# KiCad board ardumower mega shield svn.kicad_pcb (continued)
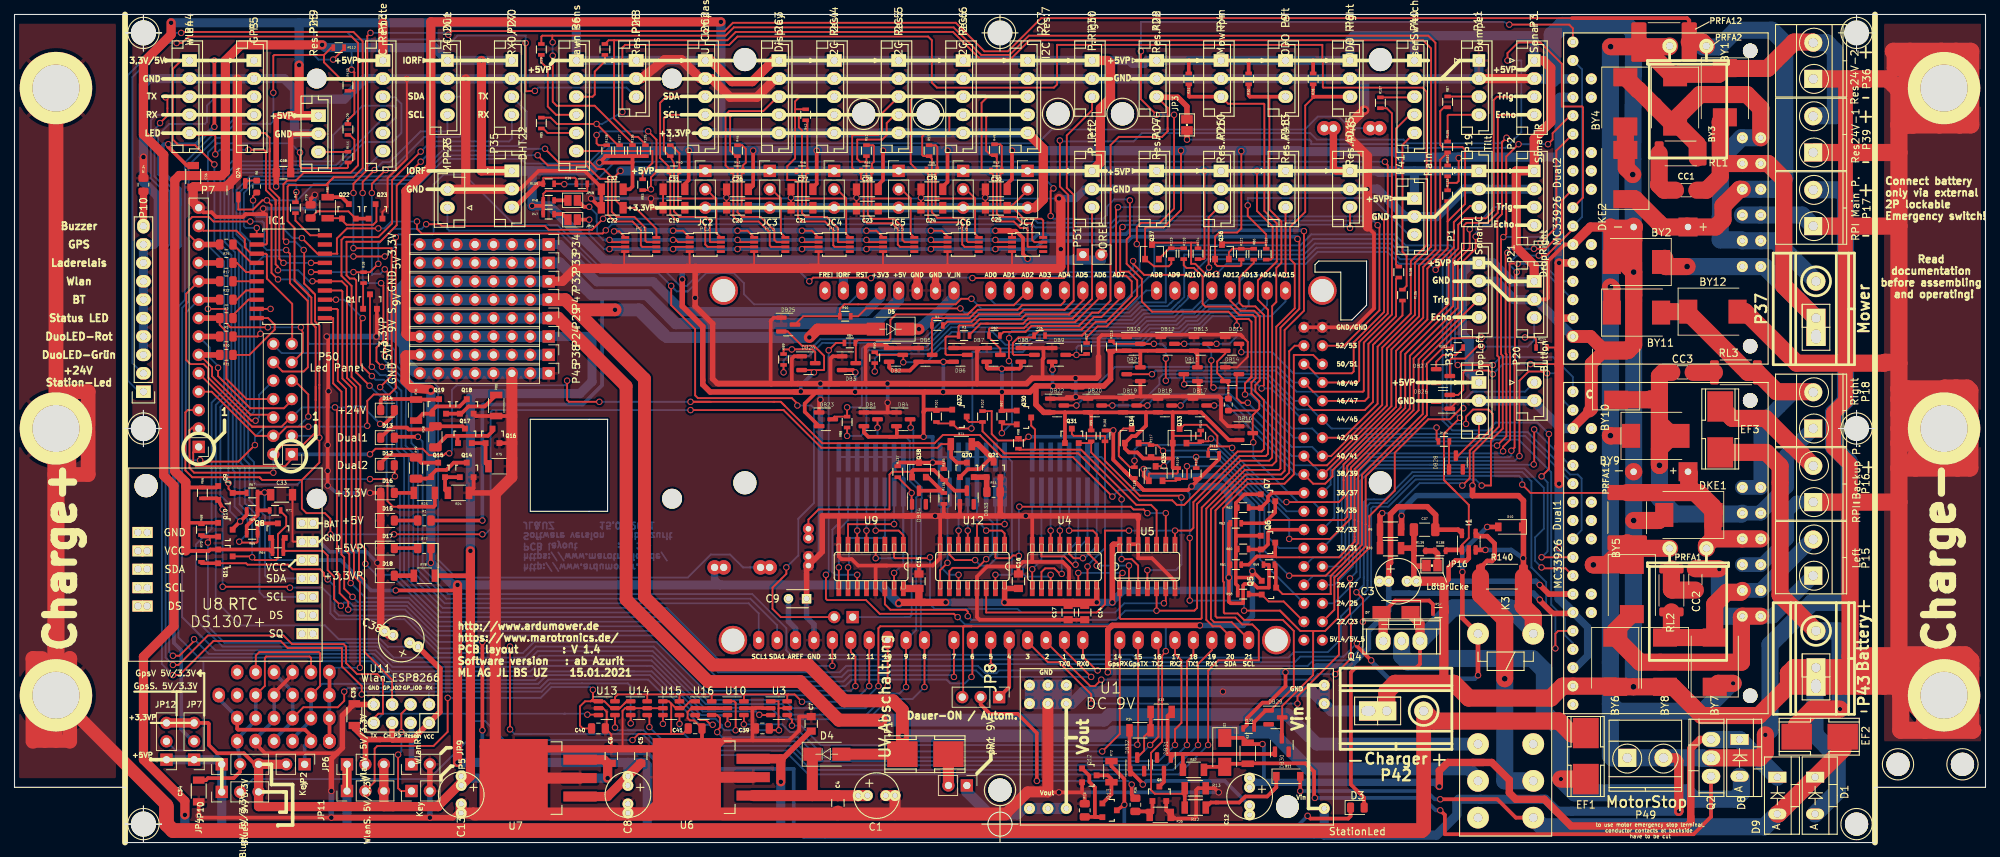
[diagram p0: board, top side]
## Routing (per net, layer and track width the routed paths; a pad name or vN(x,y) marks a point on that pad's centre or on a via; arc(x,y) is an arc through that point) (continued)
pinMotorRightDir: length 46.7
  Bottom w0.254: 214.76,49.53 Dual1.13 208.28,56.13 203.83,56.13 203.58,55.88 186.32,55.88 181.99,51.55 181.99,44.83 SHIELD1.33
pinMotorRightFault: length 64
  Top w0.254: Dual1.17 214.76,59.69 ; v1(211.33,64.77) 210.6,65.02 208.79,65.02 207.52,63.75 v1(207.52,53.34)
  Bottom w0.254: v1(207.52,53.34) 206.85,52.67 186.83,52.67 184.53,50.38 184.53,38.1 181.99,35.56 SHIELD1.27 ; v1(211.33,64.77) 212.73,64.77 213.36,64.14 213.36,61.21 Dual1.17
pinMotorRightPWM: length 115.9
  Top w0.254: v1(148.46,19.18) 148.46,20.45 144.02,24.89 142.49,24.89 139.7,27.69 SHIELD1.3 ; 209.55,52.07 209.55,52.13 v1(209.49,52.2) 209.55,52.26 v1(209.55,57.02) ; v1(176.91,19.18) 176.91,20.19 182.63,25.91 182.63,30.05 184.15,31.57 v1(184.15,36.45)
  Bottom w0.254: v1(209.55,57.02) 214.5,52.07 Dual1.14 ; 195.15,52.15 209.44,52.15 v1(209.49,52.2) ; 195.15,52.15 187.02,52.15 185.04,50.17 185.04,37.34 v1(184.15,36.45) ; 195.15,52.15 197.28,52.15 ; v1(148.46,19.18) v1(176.91,19.18)
pinMotorRightSense: length 109
  Top w0.254: v1(199.01,65.91) v1(203.84,65.91) ; SHIELD1.AD0 134.62,75.69
  Bottom w0.254: 204.91,66.99 205.04,66.99 ; 204.91,66.99 212.15,66.99 214.88,64.26 Dual1.18 ; 204.91,66.99 v1(203.84,65.91) ; 157.16,78.84 152.62,74.3 135.26,74.3 134.62,74.93 SHIELD1.AD0 ; 157.16,78.84 157.16,82.23 157.35,82.42 177.29,82.42 178.82,83.95 190.31,83.95 191.83,82.42 197.99,82.42 198.63,81.79 198.63,66.29 v1(199.01,65.91) ; 157.16,78.84 157.16,79.31
pinOdometryLeft: length 62.2
  Top w0.254: SHIELD1.AD12 167.64,74.8 169.04,73.41 170.94,73.41 171.7,72.64 171.7,63.75 171.1,63.15 171.1,62.26 172.28,61.09 172.28,54.29 171.96,53.97 168.66,53.97 161.29,46.61 160.27,46.61 159.64,47.24 155.07,47.24 148.46,53.85 R99.2 148.59,55.13 Q31.2 ; SHIELD1.AD12 167.64,77.22 ; SHIELD1.AD12 167.64,75.31
  Bottom w0.254: 167.64,75.63 SHIELD1.AD12 167.64,75.56
pinOdometryRight: length 64.1
  Top w0.254: R101.2 127.33,57.85 Q32.2 130,57.15 v1(131.95,57.15)
  Bottom w0.254: 139,67.69 138.47,67.69 ; 139,67.69 132.08,67.69 132.08,57.28 v1(131.95,57.15) ; 139,67.69 140.4,69.09 155.4,69.09 156.77,70.46 160.76,70.46 ; 164.97,73.15 163.39,71.56 163.38,71.56 163.32,71.5 161.8,71.5 160.76,70.46 ; 164.97,73.15 168.02,73.15 ; 164.97,73.15 165.35,73.15 ; 172.72,75.95 SHIELD1.AD14 172.72,74.17 171.7,73.15 168.02,73.15 ; 168.02,73.15 169.16,73.15 ; 160.76,70.46 161.23,70.93
pinPerimeterLeft: length 33.1
  Top w0.254: 145.87,72.33 146.56,73.03 ; 145.87,72.33 148.59,75.06 P12.3 ; 145.87,72.33 139.77,72.33 139.06,71.63 134.24,71.63 ; 134.24,71.63 133.87,71.63 ; 134.24,71.63 133.22,71.63 131.69,70.09 R3.1
pinPerimeterRight: length 51.2
  Top w0.254: 144.78,73.53 145.99,74.74 ; 144.78,73.53 139.19,73.53 138.56,72.9 132.97,72.9 131.95,71.88 128.65,71.88 128.14,71.37 R4.1 ; 144.78,73.53 146.05,74.8 146.05,89.41 145.1,90.36 145.1,97.6 148.59,101.09 P30.3
pinRain: length 4.6
  Top w0.254: 170.84,81.93 R86.1 R121.2 169.15,81.98 167.96,81.98 167.45,81.47 Q36.2
pinRemoteMow: length 99.4
  Top w0.254: v1(115.95,21.59) 115.95,25.65 115.32,26.29 SHIELD1.12 ; R64.2 37.33,40.26 42.55,40.26 43.18,39.62 43.18,37.59 44.07,36.7 44.07,33.62 v1(45,32.68)
  Top w0.48: Q8.2 37.07,41.85 R64.2
  Bottom w0.254: v1(115.95,21.59) 115.32,20.95 96.01,20.95 88.39,28.58 58.16,28.58 54.07,32.67 46.69,32.67 46.22,33.13 45.45,33.13 v1(45,32.68)
pinRemoteSpeed: length 122.1
  Top w0.254: SHIELD1.10 v1(120.4,21.59) ; v1(26.67,41.4) 26.92,41.66 26.92,42.23
  Top w0.48: 25.78,42.23 Q10.2
  Bottom w0.254: v1(26.67,41.4) 26.67,29.84 28.96,27.56 50.23,27.56 52.26,25.53 70.36,25.53 71.88,27.05 88.14,27.05 95.5,19.69 106.17,19.69 107.31,18.54 117.35,18.54 v1(120.4,21.59)
pinRemoteSteer: length 120.8
  Top w0.254: 117.86,29.08 SHIELD1.11 v1(117.86,21.59) ; 28.38,47.31 Q9.2 ; v1(37.97,35.18) 37.85,35.31 v1(28.7,35.31)
  Top w0.508: v1(28.7,45.97) 28.7,46.12 Q9.2 27.88,47.51 R66.2
  Bottom w0.254: v1(37.97,35.18) 42.42,35.18 43.56,34.04 43.56,31.62 44.36,30.82 53.76,30.82 58.42,26.16 70.1,26.16 71.63,27.69 88.52,27.69 95.88,20.32 116.59,20.32 v1(117.86,21.59) ; v1(28.7,45.97) v1(28.7,35.31)
pinRemoteSwitch: length 240.5
  Top w0.254: v1(164.59,13.46) 164.59,23.75 165.99,25.15 171.58,25.15 171.58,29.21 170.69,30.1 169.29,30.1 168.34,31.05 165.8,31.05 165.61,31.24 165.61,45.85 169.93,50.17 174.88,50.17 175.77,51.05 175.77,67.82 176.53,68.58 SHIELD1.52 177.04,68.58 ; 68.33,18.29 68.33,19.81 ; v1(43.18,36.32) 42.67,36.83 42.67,37.21 42.16,37.72 38.35,37.72 37.72,38.35 32.13,38.35 31.94,38.55 Q11.2 ; v1(68.33,15.62) v1(68.33,27.05)
  Top w0.48: Q11.2 25.78,38.55
  Bottom w0.254: v1(43.18,36.32) 44.13,35.37 44.13,31.94 44.74,31.33 53.97,31.33 58.5,26.8 68.07,26.8 v1(68.33,27.05) ; v1(68.33,15.62) 68.96,14.99 71.25,14.99 ; 71.25,14.99 69.47,14.99 ; 71.25,14.99 86.55,14.99 89.47,12.06 106.81,12.06 109.47,9.4 160.53,9.4 v1(164.59,13.46)
pinSonarCenterEcho: length 9
  Top w0.254: Q5.2 172.93,33.27 175.01,33.27 SHIELD1.22
  Top w0.48: 170.37,34.29 170.43,34.23 Q5.2
pinSonarCenterTrigger: length 33.6
  Top w0.254: v1(161.67,51.94) 161.67,50.17 161.66,50.18 R119.2 160.15,49.93 Q35.2
  Bottom w0.254: v1(161.67,51.94) 166.3,51.94 171.7,46.54 171.7,39.12 SHIELD1.24
pinSonarLeftEcho: length 9
  Top w0.48: 170.37,46.23 170.43,46.17 Q7.2 172.85,47.17 172.85,47.75 173.36,48.26 SHIELD1.36
  Bottom w0.254: SHIELD1.36 177.42,48.26
pinSonarLeftTrigger: length 21.7
  Top w0.254: R115.2 163.58,55.15 163.56,55.13 Q33.2 ; R115.2 163.45,55.13 ; R115.2 164.6,55.38 v1(164.97,55.75)
  Bottom w0.254: 177.17,45.72 SHIELD1.34 175.4,45.72 165.37,55.75 v1(164.97,55.75)
pinSonarRightEcho: length 10.4
  Top w0.254: 171.9,40.45 Q6.2
  Top w0.48: R60.2 170.23,40.45 Q6.2 172.15,40.45 172.85,41.15 172.85,42.8 173.23,43.18 SHIELD1.32
  Bottom w0.254: SHIELD1.32 177.17,43.18
pinSonarRightTrigger: length 32.3
  Top w0.254: 158.33,54.1 v1(158.36,54.07) 157.58,54.85 R117.2 156.44,55.13 Q34.2
  Bottom w0.254: v1(158.36,54.07) 158.4,54.1 165.58,54.1 172.97,46.71 172.97,42.04 174.37,40.64 SHIELD1.30 177.17,40.64
pinTilt: length 4.1
  Top w0.254: 157.8,80.53 159.23,82.03 R123.2 R110.1
pinUserSwitch1: length 22.8
  Top w0.254: P40.5 191.39,96.3 191.39,81.53 191.96,80.96 191.96,76.84 191.44,76.31 R106.1
pinUserSwitch2: length 22.6
  Top w0.254: P40.4 192.4,100.45 190.5,98.55 190.5,79.81 R108.1
pinUserSwitch3: length 4.7
  Top w0.254: P40.3 192.95,102.86 R107.1
RelaisAbschaltung: length 8.5
  Top w0.508: JP8.1 137.16,21.46 SHIELD1.4
ReserveAD6: length 60.4
  Top w0.254: P22.3 159,101.43 159,98.17 ; 146.75,71.32 140.23,71.32 139.4,70.48 136.39,70.48 R82.1 ; 146.75,71.32 147.19,71.75 ; 146.75,71.32 148.59,73.15 149.48,73.15 151.13,74.8 151.13,96.27 152.27,97.41 158.24,97.41 159,98.17 ; 159,98.17 159,98.68
  Top w0.762: JP3.1 161.67,101.6 160.4,102.87 157.56,102.87 P22.3
ReserveAD7: length 34
  Top w0.254: R26.1 147.19,69.98 ; 147.19,69.98 149.1,71.88 150.5,71.88 154.05,75.44 154.05,77.47 153.29,78.23 152.15,78.23 151.89,78.49 151.89,87.44 v1(152.15,87.69) ; 147.19,69.98 147.57,70.36
  Bottom w0.254: v1(152.15,87.69) 152.16,87.71 P14.3
ReserveAD10: length 79.3
  Top w0.254: P26.3 166.07,87.71 164.66,86.3 164.66,79.44 v1(164.72,79.38) ; v1(114.81,56.13) R88.1
  Bottom w0.254: v1(114.81,56.13) 116.71,56.13 117.48,56.9 117.48,67.69 117.73,67.94 125.98,67.94 129.16,71.12 131.32,71.12 ; 160.91,73.53 161.16,73.53 ; 160.91,73.53 162.43,73.53 163.83,74.93 163.83,78.11 v1(164.72,79.38) ; 160.91,73.53 159.89,72.52 156.08,72.52 156.06,72.5 155.93,72.5 154.56,71.12 146.9,71.12 131.32,71.12 ; 131.32,71.12 130.56,71.12
ReservePin8: length 62.1
  Top w0.254: v1(70.48,110.36) 70.48,103.76 70.54,103.71 v1(71.75,103.76) ; 85.74,102.94 P28.3 ; v1(43.94,108.08) 45.45,109.59 R112.1
  Bottom w0.254: v1(71.75,103.76) 72.2,104.2 84.39,104.2 85.64,102.95 P28.3 ; v1(43.94,108.08) 41.91,108.08 41.28,108.71 41.28,111.89 45.85,111.89 46.86,110.87 58.55,110.87 58.86,110.55 60.26,110.55 61.09,111.38 70.48,111.38 v1(70.48,110.36)
ReservePin9: length 4.1
  Top w0.254: R111.1 45.94,95.33 P25.3
Reset: length 142.3
  Top w0.254: JP13.2 105.66,31.11 104.52,32.26 104.52,35.18 106.43,37.08 v1(106.43,37.97) ; v1(90.55,76.84) 90.55,74.17 93.85,70.87 93.85,61.72 94.23,61.34 107.19,61.34 107.95,60.58 v1(107.95,60.33)
  Bottom w0.254: P23.1 59.69,84.71 59.94,84.45 74.93,84.45 80.77,78.61 88.77,78.61 v1(90.55,76.84) ; v1(107.95,60.33) 109.86,60.33 110.24,59.94 110.24,46.86 108.08,44.7 108.08,39.62 v1(106.43,37.97) ; v1(90.55,76.84) 91.31,76.07 92.84,76.07 ; v1(90.55,76.84) 91.06,76.33 ; 92.84,76.07 95.38,78.61 99.19,78.61 100.58,77.22 100.58,75.69 101.98,74.3 114.94,74.3 SHIELD1.RST ; 92.84,76.07 92.2,76.07
Resv.PinAD13: length 80.5
  Top w0.254: P48.3 v1(175.26,78.36) ; v1(118.62,65.02) R50.1
  Bottom w0.254: v1(175.26,78.36) 169.8,78.36 168.91,77.47 168.91,74.68 168.4,74.17 164.59,74.17 ; 126.19,67.44 129.24,70.49 134.87,70.49 136.65,68.71 138.58,68.71 139.98,70.1 154.98,70.1 156.35,71.48 160.29,71.48 161.33,72.52 162.9,72.52 164.55,74.17 164.59,74.17 ; 126.19,67.44 119.25,67.44 118.62,66.8 v1(118.62,65.02) ; 126.19,67.44 125.09,67.44 ; 164.59,74.17 167.13,74.17
Resv.PinAD15: length 56.1
  Top w0.254: R27.1 147.83,69.72 149.35,71.25 150.62,71.25 154.81,75.44 154.81,77.6 153.61,78.8 152.53,78.8 152.46,78.87 152.46,84.84 152.59,84.96 v1(152.78,84.96) ; v1(184.15,84.84) P46.3
  Bottom w0.254: v1(184.15,84.84) 183.71,85.28 153.1,85.28 v1(152.78,84.96)
RX0: length 200.9
  Top w0.254: 147.57,27.69 SHIELD1.0 ; SHIELD1.0 147.32,25.65 149.23,23.75 v1(149.35,23.75) ; SHIELD1.0 147.32,26.92 ; SHIELD1.0 147.32,28.19 ; SHIELD1.0 147.32,28.83 ; v1(56.01,93.98) 52.7,90.68 52.7,85.22 50.42,82.93 45.78,82.93 45.78,78.3 46.23,77.85 46.86,77.85 47.12,77.6 47.12,64.9 ; 47.12,64.9 47.12,65.28 ; 47.12,64.9 v1(48.96,63.06) 48.83,63.06
  Bottom w0.254: P27.3 70.61,100.92 70.61,97.41 69.34,96.14 58.17,96.14 v1(56.01,93.98) ; v1(149.35,23.75) 135.76,23.75 135.38,23.37 133.86,23.37 132.84,24.38 114.68,24.38 113.79,23.5 97.03,23.5 89.41,31.11 58.55,31.11 53.15,36.51 53.15,47.94 51.31,49.78 51.31,60.71 v1(48.96,63.06)
RX1: length 103.7
  Top w0.254: v1(82.8,15.88) 82.8,17.59 U13.4 ; 165.1,27.18 SHIELD1.19 165.1,26.54 163.2,24.64 v1(163.2,13.46)
  Bottom w0.254: v1(82.8,15.88) 83.18,15.49 86.36,15.49 ; 86.36,15.49 84.64,15.49 ; 86.36,15.49 86.76,15.49 89.56,12.7 107.19,12.7 109.86,10.03 159.77,10.03 v1(163.2,13.46)
RX2: length 88.5
  Top w0.254: SHIELD1.17 160.02,26.03 160.91,25.15 160.91,16.51 160.02,15.62 v1(160.02,13.46) ; v1(91.69,16.38) 91.69,16.26 U15.4
  Bottom w0.254: v1(160.02,13.46) 157.8,11.24 110.3,11.24 107.57,13.97 93.34,13.97 91.69,15.62 v1(91.69,16.38)
SCL: length 190.1
  Top w0.254: PC7.2 135.56,82.88 v1(135.26,83.19) ; SHIELD1.21 170.18,28.07 167.83,30.42 165.42,30.42 164.97,30.86 164.97,45.97 169.8,50.8 174.62,50.8 175.13,51.31 175.13,70.74 177.8,73.41 v1(177.8,84.39) ; v1(99.69,83.19) 100,82.88 PC3.2 ; PC2.2 91.5,82.88 91.19,83.19 v1(90.8,83.19) ; v1(108.58,83.19) 108.89,82.88 PC4.2 ; v1(126.36,83.19) 126.67,82.88 PC6.2 ; v1(82.04,83.19) 82.35,82.88 PC1.2 ; v1(117.48,83.19) 117.79,82.88 PC5.2
  Top w0.508: v1(79.25,87.76) 78.5,87.76 JP15.1
  Bottom w0.254: v1(82.04,83.19) 81.15,83.19 80.33,84.01 80.33,85.62 80.26,85.68 80.26,86.74 v1(79.25,87.76)
  Bottom w0.508: v1(177.8,84.39) 177.67,84.52 153.8,84.52 153.26,83.98 141.13,83.98 140.34,83.19 v1(135.26,83.19) v1(126.36,83.19) v1(117.48,83.19) v1(108.58,83.19) v1(99.69,83.19) v1(90.8,83.19) v1(82.04,83.19) 81.53,83.19
SCL1: length 134.5
  Top w0.254: PC1.7 87.18,82.88 86.99,83.06 86.99,84.84 85.47,86.36 83.06,86.36 82.36,87.06 82.36,91.84 81.24,92.96 80.36,92.96 79.34,93.98 74.93,93.98 v1(73.15,95.76)
  Bottom w0.254: v1(73.15,95.76) 70.23,95.76 69.98,95.5 58.97,95.5 55.42,91.95 32.47,91.95 30.61,90.08 30.61,83.95 31.94,82.61 31.94,60.13 31.18,59.37 31.18,52.39 31.75,51.82 31.75,46.86 33.78,44.83 33.78,34.54 34.42,33.91 U8.5
  Bottom w1.016: 41.02,33.91 39.52,33.91
SCL2: length 29.3
  Top w0.254: I2C2.4 90.04,100.45 89.53,99.95 89.53,95.5 90.28,94.75 R44.2 90.93,93.74 90.93,87.12 91.69,86.36 95.38,86.36 95.88,85.85 95.88,82.93 95.94,82.88 PC2.7
SCL3: length 29.7
  Top w0.254: I2C3.4 100.2,100.45 100.2,100.46 98.93,100.46 98.68,100.2 98.68,95.5 99.43,94.75 R45.2 99.69,87 100.33,86.36 102.87,86.36 104.77,84.45 104.77,83.19 105.08,82.88 PC3.7
SCL4: length 28.8
  Top w0.254: I2C4.4 108.15,100.45 108.14,100.46 108.14,98.74 108.58,98.3 108.58,92.71 ; 108.58,92.71 108.58,86.87 109.09,86.36 112.01,86.36 113.54,84.84 113.54,82.93 113.59,82.88 PC4.7 ; 108.58,92.71 R46.2
SCL5: length 29.4
  Top w0.254: 117.48,93.98 116.59,93.98 116.2,94.36 116.2,97.03 119.63,97.03 120.27,97.66 120.27,99.31 121.4,100.45 I2C5.4 ; 117.48,93.98 R51.2 ; 117.48,93.98 117.48,91.69 117.67,91.5 117.67,86.68 118.24,86.11 121.29,86.11 122.43,84.96 122.43,83.19 122.74,82.88 PC5.7
SCL6: length 29.4
  Top w0.254: I2C6.4 129.15,100.45 128.91,100.2 128.91,97.92 128.78,97.79 125.48,97.79 125.16,97.47 125.16,94.93 125.34,94.75 R52.2 126.49,94.37 126.49,87 127.25,86.23 130.81,86.23 131.32,85.72 131.32,83.06 131.5,82.88 PC6.7
SCL7: length 29.4
  Top w0.254: I2C7.4 134.23,100.45 133.99,100.2 133.99,95.5 134.61,94.88 R49.2 135.45,94.56 135.45,86.8 135.89,86.36 138.05,86.36 138.94,85.47 140.21,85.47 140.34,85.34 140.34,83.19 140.65,82.88 PC7.7
SCL22: length 130.4
  Top w0.254: v1(49.66,92.84) 48.01,91.19 v1(48.01,89.66) ; v1(50.67,65.66) 49.91,66.42 49.91,68.33 50.86,69.28 50.86,76.9 v1(50.55,77.22)
  Bottom w0.254: I2C1.4 59.69,98.3 59.56,98.17 56.01,98.17 51.75,93.92 50.74,93.92 v1(49.66,92.84) ; v1(50.67,65.66) 51.05,65.66 53.97,62.74 53.97,60.96 53.93,54.78 54.99,53.72 54.99,37.34 59.31,33.02 101.22,33.02 102.62,31.62 SHIELD1.SCL1 ; v1(50.55,77.22) 48.51,77.22 48.01,77.72 v1(48.01,89.66) ; SHIELD1.SCL1 102.62,27.56 ; SHIELD1.SCL1 102.62,27.31
SDA: length 185.7
  Top w0.254: v1(176.91,83.31) 177.17,83.06 177.17,73.66 174.56,71.06 174.56,51.63 174.37,51.44 169.67,51.44 164.34,46.1 164.34,30.73 165.23,29.84 166.24,29.84 167.64,28.45 SHIELD1.20 ; v1(126.36,81.91) 126.67,82.22 PC6.3 ; v1(135.26,81.91) 135.56,82.22 PC7.3 ; PC2.3 91.11,82.22 v1(90.8,81.91) ; PC5.3 117.79,82.22 v1(117.48,81.91) ; v1(99.69,81.91) 100,82.22 PC3.3 ; PC1.3 82.35,82.22 v1(82.04,81.91) ; v1(108.58,81.91) 108.89,82.22 PC4.3
  Top w0.508: v1(90.8,81.91) 90.93,82.04 ; v1(79.25,85.98) JP14.1
  Bottom w0.254: 81.66,81.91 81.28,81.91 79.25,83.95 v1(79.25,85.98)
  Bottom w0.508: v1(176.91,83.31) 176.91,83.57 176.85,83.63 154.11,83.63 153.51,83.03 141.83,83.03 140.72,81.91 v1(135.26,81.91) v1(126.36,81.91) v1(117.48,81.91) v1(108.58,81.91) v1(99.69,81.91) v1(90.8,81.91) v1(82.04,81.91) 81.66,81.91
SDA1: length 131.5
  Top w0.254: PC1.6 86.56,82.22 86.36,82.42 86.36,84.58 85.22,85.72 82.76,85.72 81.85,86.63 81.85,91.63 80.72,91.63 78.88,93.47 73.53,93.47 v1(72.14,94.87)
  Bottom w0.254: U8.4 34.92,36.45 34.54,36.83 34.54,45.09 32.39,47.24 32.39,52.2 31.69,52.9 31.69,58.99 32.45,59.75 32.45,82.99 31.11,84.33 31.11,89.87 32.68,91.44 55.63,91.44 59.06,94.87 v1(72.14,94.87) ; 39.52,36.45 39.23,36.45 ; 40.52,36.45 40.12,36.45
  Bottom w1.016: 39.52,36.45 41.02,36.45
SDA2: length 33.1
  Top w0.254: 90.42,92.2 90.42,92.27 ; 90.42,92.2 90.42,86.74 91.44,85.72 94.74,85.72 95.25,85.22 95.25,82.55 95.58,82.22 PC2.6 ; 90.42,92.2 90.42,92.47 R40.2 ; R40.2 90.04,92.71 ; R40.2 90.18,93.33 89.03,94.49 89.03,102.11 89.87,102.95 I2C2.3
SDA3: length 32.9
  Top w0.254: I2C3.3 105.24,102.95 103.25,100.97 98.55,100.97 98.04,100.46 98.04,93.47 98.81,92.71 R41.2 99.12,92.53 99.12,86.43 99.82,85.72 102.62,85.72 104.14,84.2 104.14,82.42 104.34,82.22 PC3.6
SDA4: length 35
  Top w0.254: I2C4.3 108.28,102.95 107.63,102.3 107.63,101.22 ; 107.63,101.22 109.08,101.22 R42.2 ; 107.63,101.22 107.63,94.43 106.55,93.34 106.55,91.44 107.7,91.44 108.01,91.12 108.01,86.23 108.08,86.23 108.58,85.72 111.76,85.72 112.9,84.58 112.9,82.42 113.1,82.22 PC4.6
SDA5: length 32.5
  Top w0.254: 116.52,92.71 115.95,92.71 115.51,93.15 115.51,97.66 119.13,97.66 119.63,98.17 119.63,100.66 I2C5.3 ; PC5.6 122.12,82.22 121.79,82.55 121.79,84.71 121.03,85.47 117.6,85.47 117.09,85.98 117.09,91.31 116.73,91.68 R55.2
SDA6: length 35.9
  Top w0.254: 125.6,92.78 125.54,92.84 ; 125.54,92.84 125.98,92.4 125.98,85.98 126.36,85.6 130.56,85.6 130.68,85.47 130.68,82.55 131.01,82.22 PC6.6 ; 125.54,92.84 124.46,92.84 123.57,93.73 123.57,102.49 123.95,102.87 130.81,102.87
SDA7: length 33.8
  Top w0.254: PC7.6 139.77,82.22 139.7,82.3 139.7,84.71 139.57,84.84 138.68,84.84 137.8,85.72 135.38,85.72 134.94,86.17 134.94,92.2 134.43,92.71 133.48,92.71 133.35,92.84 133.35,102.11 134.11,102.87 139.7,102.87
SDA22: length 137
  Top w0.254: v1(51.05,79.12) 51.44,78.74 51.44,68.83 51.05,68.45 v1(51.05,67.18) ; v1(51.18,92.84) 49.28,90.93 v1(49.28,89.66)
  Bottom w0.254: I2C1.3 61.39,102.95 61.98,102.36 61.98,98.04 61.34,97.41 56.52,97.41 52.39,93.28 51.63,93.28 v1(51.18,92.84) ; v1(51.05,67.18) 51.05,66.55 54.74,62.86 54.74,55.12 55.63,54.23 55.63,37.59 59.56,33.66 101.47,33.66 105.16,29.97 SHIELD1.SDA1 ; v1(51.05,79.12) 50.42,78.49 49.4,78.49 49.28,78.36 v1(49.28,89.66) ; SHIELD1.SDA1 105.16,27.81 ; SHIELD1.SDA1 105.16,28.7 ; SHIELD1.SDA1 105.16,27.43
StationLed: length 404.6
  Top w0.254: v1(40.51,57.4) 37.55,57.4 36.28,56.13 P50.4 ; v1(109.6,77.47) 110.11,77.98 118.05,77.98 v1(118.11,77.91) ; 52.58,62.74 v1(52.58,83.57) ; 52.58,62.74 52.58,63.25 ; 52.58,62.74 51.69,61.85 49.53,61.85 48.64,60.96 v1(48.64,57.53) ; P50.4 36.2,56.13 ; P50.4 33.27,56.13 27.18,62.23 P7.4 25.53,62.23 ; v1(201.04,49.28) 201.17,49.4 201.17,53.89 204.7,57.43 204.7,66.96 204.47,67.2 204.47,86.11 205.11,86.74 205.11,96.65 v1(205.74,97.28) ; v1(132.09,77.91) 144.72,77.91 145.29,78.49 145.29,89.41 144.15,90.55 v1(144.15,96.9)
  Top w0.508: Q4.3 193.8,24.64 193.29,24.13 184.91,24.13 184.28,23.5 184.28,8 186.1,6.17 D3.2
  Top w0.635: v1(202.82,40.39) 202.81,40.39 I1.3
  Top w0.762: 191.19,42.87 R9.1 191.26,43.25 v1(191.26,45.09) ; R140.1 208.07,47.2 207.39,47.88 201.04,47.88 v1(201.04,49.28)
  Top w1.27: Q4.3 193.8,30.2 192.25,31.75
  Top w2.358: K3.8 209.42,31.24 208.03,32.64 208.07,32.68 R140.1
  Bottom w0.254: v1(144.15,96.9) 144.27,96.77 154.31,96.77 155.45,97.92 178.69,97.92 179.58,97.03 191.52,97.03 192.02,96.52 204.85,96.52 v1(205.74,97.28) ; v1(48.64,57.53) 48.51,57.4 v1(40.51,57.4) ; v1(52.58,83.57) 52.96,83.95 57.66,83.95 57.78,84.07 57.78,90.81 59.18,92.2 61.98,92.2 68.96,85.22 74.89,85.22 80.81,79.29 89.32,79.29 91.77,76.84 92.71,76.84 95,79.12 107.95,79.12 v1(109.6,77.47) ; P7.4 25.27,62.23 ; v1(118.11,77.91) 118.17,77.98 132.02,77.98 v1(132.09,77.91)
  Bottom w0.508: 193.68,27.94 Q4.3 ; K3.8 209.42,29.34
  Bottom w0.635: v1(202.82,40.39) 206.38,40.39 v1(208.03,39.24)
  Bottom w0.762: v1(191.26,45.09) 191.26,45.85 193.29,47.88 201.04,47.88 v1(201.04,49.28) 201.04,48.64
  Bottom w2.358: 193.87,27.81 193.87,27.89 198.37,32.39 206.25,32.39 209.42,29.21 K3.8
Taster: length 274.8
  Top w0.254: 179.83,29.21 179.2,29.21 179.07,29.08 179.07,24.89 ; 179.83,29.21 180.72,29.21 182.5,30.99 182.5,36.37 186.82,40.69 186.82,43.7 186.82,45.06 ; 179.83,29.21 177.29,29.21 174.5,32 ; v1(49.02,53.59) 49.78,54.36 51.05,54.36 ; 105.66,60.83 111.38,55.12 126.87,55.12 128.02,56.26 133.1,56.26 ; 105.66,60.83 104.77,60.83 ; 105.66,60.83 106.24,60.26 ; 186.82,45.06 190.32,48.56 190.32,53.8 194.95,58.42 197.1,58.42 ; 186.82,45.06 186.82,44.96 ; 50.8,54.36 51.05,54.36 ; 51.05,54.36 56.26,54.36 57.15,53.47 59.18,53.47 59.44,53.72 v1(59.94,53.72) ; 96.01,60.83 v1(93.22,60.83) 104.77,60.83 ; v1(151.38,47.75) 145.92,53.21 136.14,53.21 ; 133.1,56.26 133.22,56.13 ; 133.1,56.26 136.14,53.21 ; v1(76.2,63.75) 76.2,61.09 76.45,60.83 v1(80.64,60.83) ; 197.1,58.42 197.94,58.42 199.46,59.94 v1(199.77,59.94) ; 197.1,58.42 197.23,58.42 ; 24.64,52.32 25.02,51.94 37.34,51.94 38.23,52.96 P50.1 ; 24.64,52.32 24.77,52.2 ; 24.64,52.32 24.64,53.85 P7.1 ; 104.77,60.83 104.65,60.83 ; v1(169.55,32) 174.5,32 ; 174.5,32 175.7,30.8 ; 179.07,24.89 179.07,24.38 ; 179.07,24.89 179.07,23.11 174.8,18.84 DB29.3 ; 136.14,53.21 136.02,53.34 ; v1(162.05,42.04) v1(162.05,33.4)
  Top w0.508: DB30.3 174.75,17.22 DB29.3
  Bottom w0.254: v1(162.05,42.04) 162.05,48.13 161.54,48.64 152.27,48.64 v1(151.38,47.75) ; v1(59.94,53.72) 60.33,54.1 60.33,62.48 60.96,63.12 75.95,63.12 76.2,63.37 v1(76.2,63.75) ; v1(169.55,32) 169.55,33.4 v1(162.05,33.4) ; v1(199.77,59.94) 199.77,60.96 201.05,62.24 ; 80.39,60.83 v1(93.22,60.83) ; 201.05,62.24 201.68,62.24 ; 201.05,62.24 208.29,62.24 P20.1 209.36,63.5
  Bottom w0.508: P50.1 v1(49.02,53.59)
TX0: length 196.4
  Top w0.254: v1(148.46,22.86) 144.78,26.54 SHIELD1.1 ; SHIELD1.1 144.78,28.19 ; SHIELD1.1 144.78,27.81 ; v1(56.01,95.38) 52.07,91.44 52.07,85.47 50.17,83.57 45.47,83.57 45.08,83.19 45.08,78.23 46.48,76.84 46.48,64.26 47.69,63.06 47.69,41.21 48.39,40.51 v1(48.39,38.48)
  Bottom w0.254: v1(56.01,95.38) 57.4,96.77 68.2,96.77 68.58,97.16 P27.4 ; v1(48.39,38.48) 49.91,36.96 51.94,36.96 58.41,30.48 89.15,30.48 96.77,22.86 114.05,22.86 114.94,23.75 132.59,23.75 133.48,22.86 v1(148.46,22.86)
TX1: length 94.1
  Top w0.254: SHIELD1.18 162.56,25.91 161.67,25.02 v1(161.67,13.46) ; v1(87.54,15.93) 87.54,17.29 U14.4
  Bottom w0.254: v1(161.67,13.46) 158.88,10.67 109.98,10.67 107.31,13.34 90.14,13.34 v1(87.54,15.93)
TX2: length 80.8
  Top w0.254: v1(156.59,13.46) 157.73,14.6 157.73,27.69 SHIELD1.16 157.48,27.43 ; v1(96.9,15.24) 96.9,15.49 97.28,15.88 97.28,17.2 96.89,17.59 U16.4
  Bottom w0.254: v1(96.9,15.24) 97.6,14.54 108.01,14.54 110.81,11.75 154.88,11.75 v1(156.59,13.46)
Net-(C1-Pad1): length 21.5
  Top w1.524: 110.01,6.48 113.52,6.48 C4.1 116.32,6.46 C1.1 C1.1 ; 110.01,6.48 U6.1 ; 110.01,6.48 D4.1
Net-(C2-Pad1): length 32.4
  Top w0.254: 123.76,51.25 123.7,51.18 121.03,51.18 120.65,50.8 120.65,45.97 110.87,45.97 109.47,44.58 C2.1
  Top w0.508: 128.51,50.05 R135.2 ; R135.2 129.63,48.56 DB33.3 ; R135.2 126.76,51.44 123.95,51.44 123.76,51.25 Q38.1
  Top w0.762: C2.1 C2.1
Net-(C9-Pad2): length 6.1
  Bottom w0.762: SHIELD1.AREF 107.7,29.54 106.72,30.52 C9.2
Net-(C12-Pad2): length 26.3
  Top w0.508: 153.92,15.31 R34.1 153.74,9.98 DB32.1 155.58,8.15 v1(155.58,8)
  Bottom w0.254: 170.31,5.21 C12.2 C12.2
  Bottom w0.508: C12.2 166.88,8.51 156.08,8.51 v1(155.58,8)
Net-(C19-Pad1): length 23.1
  Top w0.254: R44.1 90.56,96.25 91.68,95.13 R40.1 91.5,92.53 91.5,88.9 ; 91.5,88.9 91.5,87.63 C19.1 ; 91.5,88.9 96.65,88.9 ; 96.65,88.9 95.38,90.17 JC2.2 ; 96.65,88.9 96.77,88.9 96.77,84.15 97.4,83.53
Net-(C20-Pad1): length 24
  Top w0.254: 103.89,90.17 JC3.2 104.39,90.17 105.66,88.9 ; 100.27,88.9 100.27,87.63 C20.1 ; 100.27,88.9 105.66,88.9 ; 100.27,88.9 100.27,92.53 R41.1 100.44,93.46 100.84,93.85 100.84,95.76 100.34,96.25 R45.1 ; 105.66,88.9 105.66,84.15 106.29,83.53
Net-(C21-Pad1): length 26.5
  Top w0.254: R42.1 109.33,99.47 R46.1 109.16,92.53 109.16,88.9 ; 109.16,88.9 109.16,87.63 C21.1 ; 109.16,88.9 114.68,88.9 ; 114.68,88.9 113.41,90.17 JC4.2 ; 114.68,88.9 114.68,84.02 115.18,83.53
Net-(C23-Pad1): length 23.6
  Top w0.254: R51.1 118.38,96.25 118.49,96.14 118.49,93.98 118.23,93.71 R55.1 ; 118.17,88.9 118.17,87.5 C23.1 ; 118.17,88.9 118.17,92.46 ; 118.17,88.9 123.57,88.9 ; 123.57,88.9 122.3,90.17 JC5.2 ; 123.57,88.9 123.57,84.02 124.07,83.53
Net-(C24-Pad1): length 25.4
  Top w0.254: 130.68,90.17 JC6.2 131.19,90.17 132.46,88.9 ; 127,88.9 127,87.63 C24.1 ; 127,88.9 127,91.06 ; 127,88.9 132.46,88.9 ; R52.1 127.01,96.25 127.24,96.02 R56.1 127,92.59 127,91.06 ; 127,91.06 127,92.4 ; 132.46,88.9 132.46,84.02 132.96,83.53
Net-(C25-Pad1): length 22.7
  Top w0.254: 136.33,92.71 135.95,92.33 135.95,87.63 C25.1 ; R49.1 135.9,96.38 136.13,96.15 R53.1 ; JC7.2 139.7,90.04 137.29,87.63 C25.1 ; C25.1 137.67,87.63 139.19,86.11 141.61,86.11 141.85,85.86 141.85,83.53
Net-(C34-Pad1): length 32.7
  Top w0.254: U2.VCC 34.52,21.62 34.52,25.48 34.7,25.65 34.7,25.68 40.69,25.68 40.89,25.48 40.89,23.62 ; 33.27,20.45 33.27,20.51
  Top w0.508: JP4.2 31.11,9.78 30.23,8.89 26.67,8.89 26.39,8.61 C34.1
  Bottom w0.508: 33.27,20.45 33.27,16.89 30.73,14.35 30.73,13.34 31.11,11.3 JP4.2 31.11,11.43
Net-(C35-Pad1): length 160.8
  Top w0.254: 58.61,22.67 58.61,17.97 U11.VCC ; 58.61,22.67 58.61,24.05 C38.1 55.02,27.02 C38.1 ; 58.61,22.67 58.61,23.66 ; v1(27.56,93.6) 24.89,96.27 22.61,96.27 21.84,97.03 21.84,106.81 22.99,107.95 P44.1
  Top w0.762: 52.07,14.22 U11.CH_P ; 52.07,14.22 50.42,14.22 ; 52.07,14.22 52.13,14.16 54.8,14.16 U11.VCC 58.65,18.01 58.65,24.01 C38.1 ; 50.42,14.22 48.64,14.22 48.39,13.97 48.39,10.79 ; 50.42,14.22 48.39,14.22 46.86,15.75 C35.1
  Bottom w0.254: 55.37,26.92 55.37,26.42 ; C38.1 51.49,27.02 50.44,28.07 44.7,28.07 42.8,29.97 31.11,29.97 27.75,33.34 27.75,60.39 29.4,62.04 29.4,80.58 27.56,82.42 v1(27.56,93.6) ; 55.25,27.02 54.64,27.02 54.1,27.56
Net-(C36-Pad1): length 113
  Top w0.508: v1(27.56,98.81) v1(27.56,107.95) ; C36.1 23.77,93.45 21.21,96.01 v1(21.21,96.39)
  Bottom w0.508: v1(27.56,107.95) P5.1 ; v1(27.56,98.81) 26.69,98.04 25.03,96.39 v1(21.21,96.39) 20.57,96.39 20.45,96.27 20.45,92.58 22.79,90.24 22.79,88.08 ; 22.79,88.08 22.79,82.36 21.97,81.54 21.97,27.56 22.99,26.54 22.99,15.62 24.64,13.97 ; 22.79,88.08 22.79,88.71
